# KiCad board ZSWatch-panelized.kicad_pcb (continued)
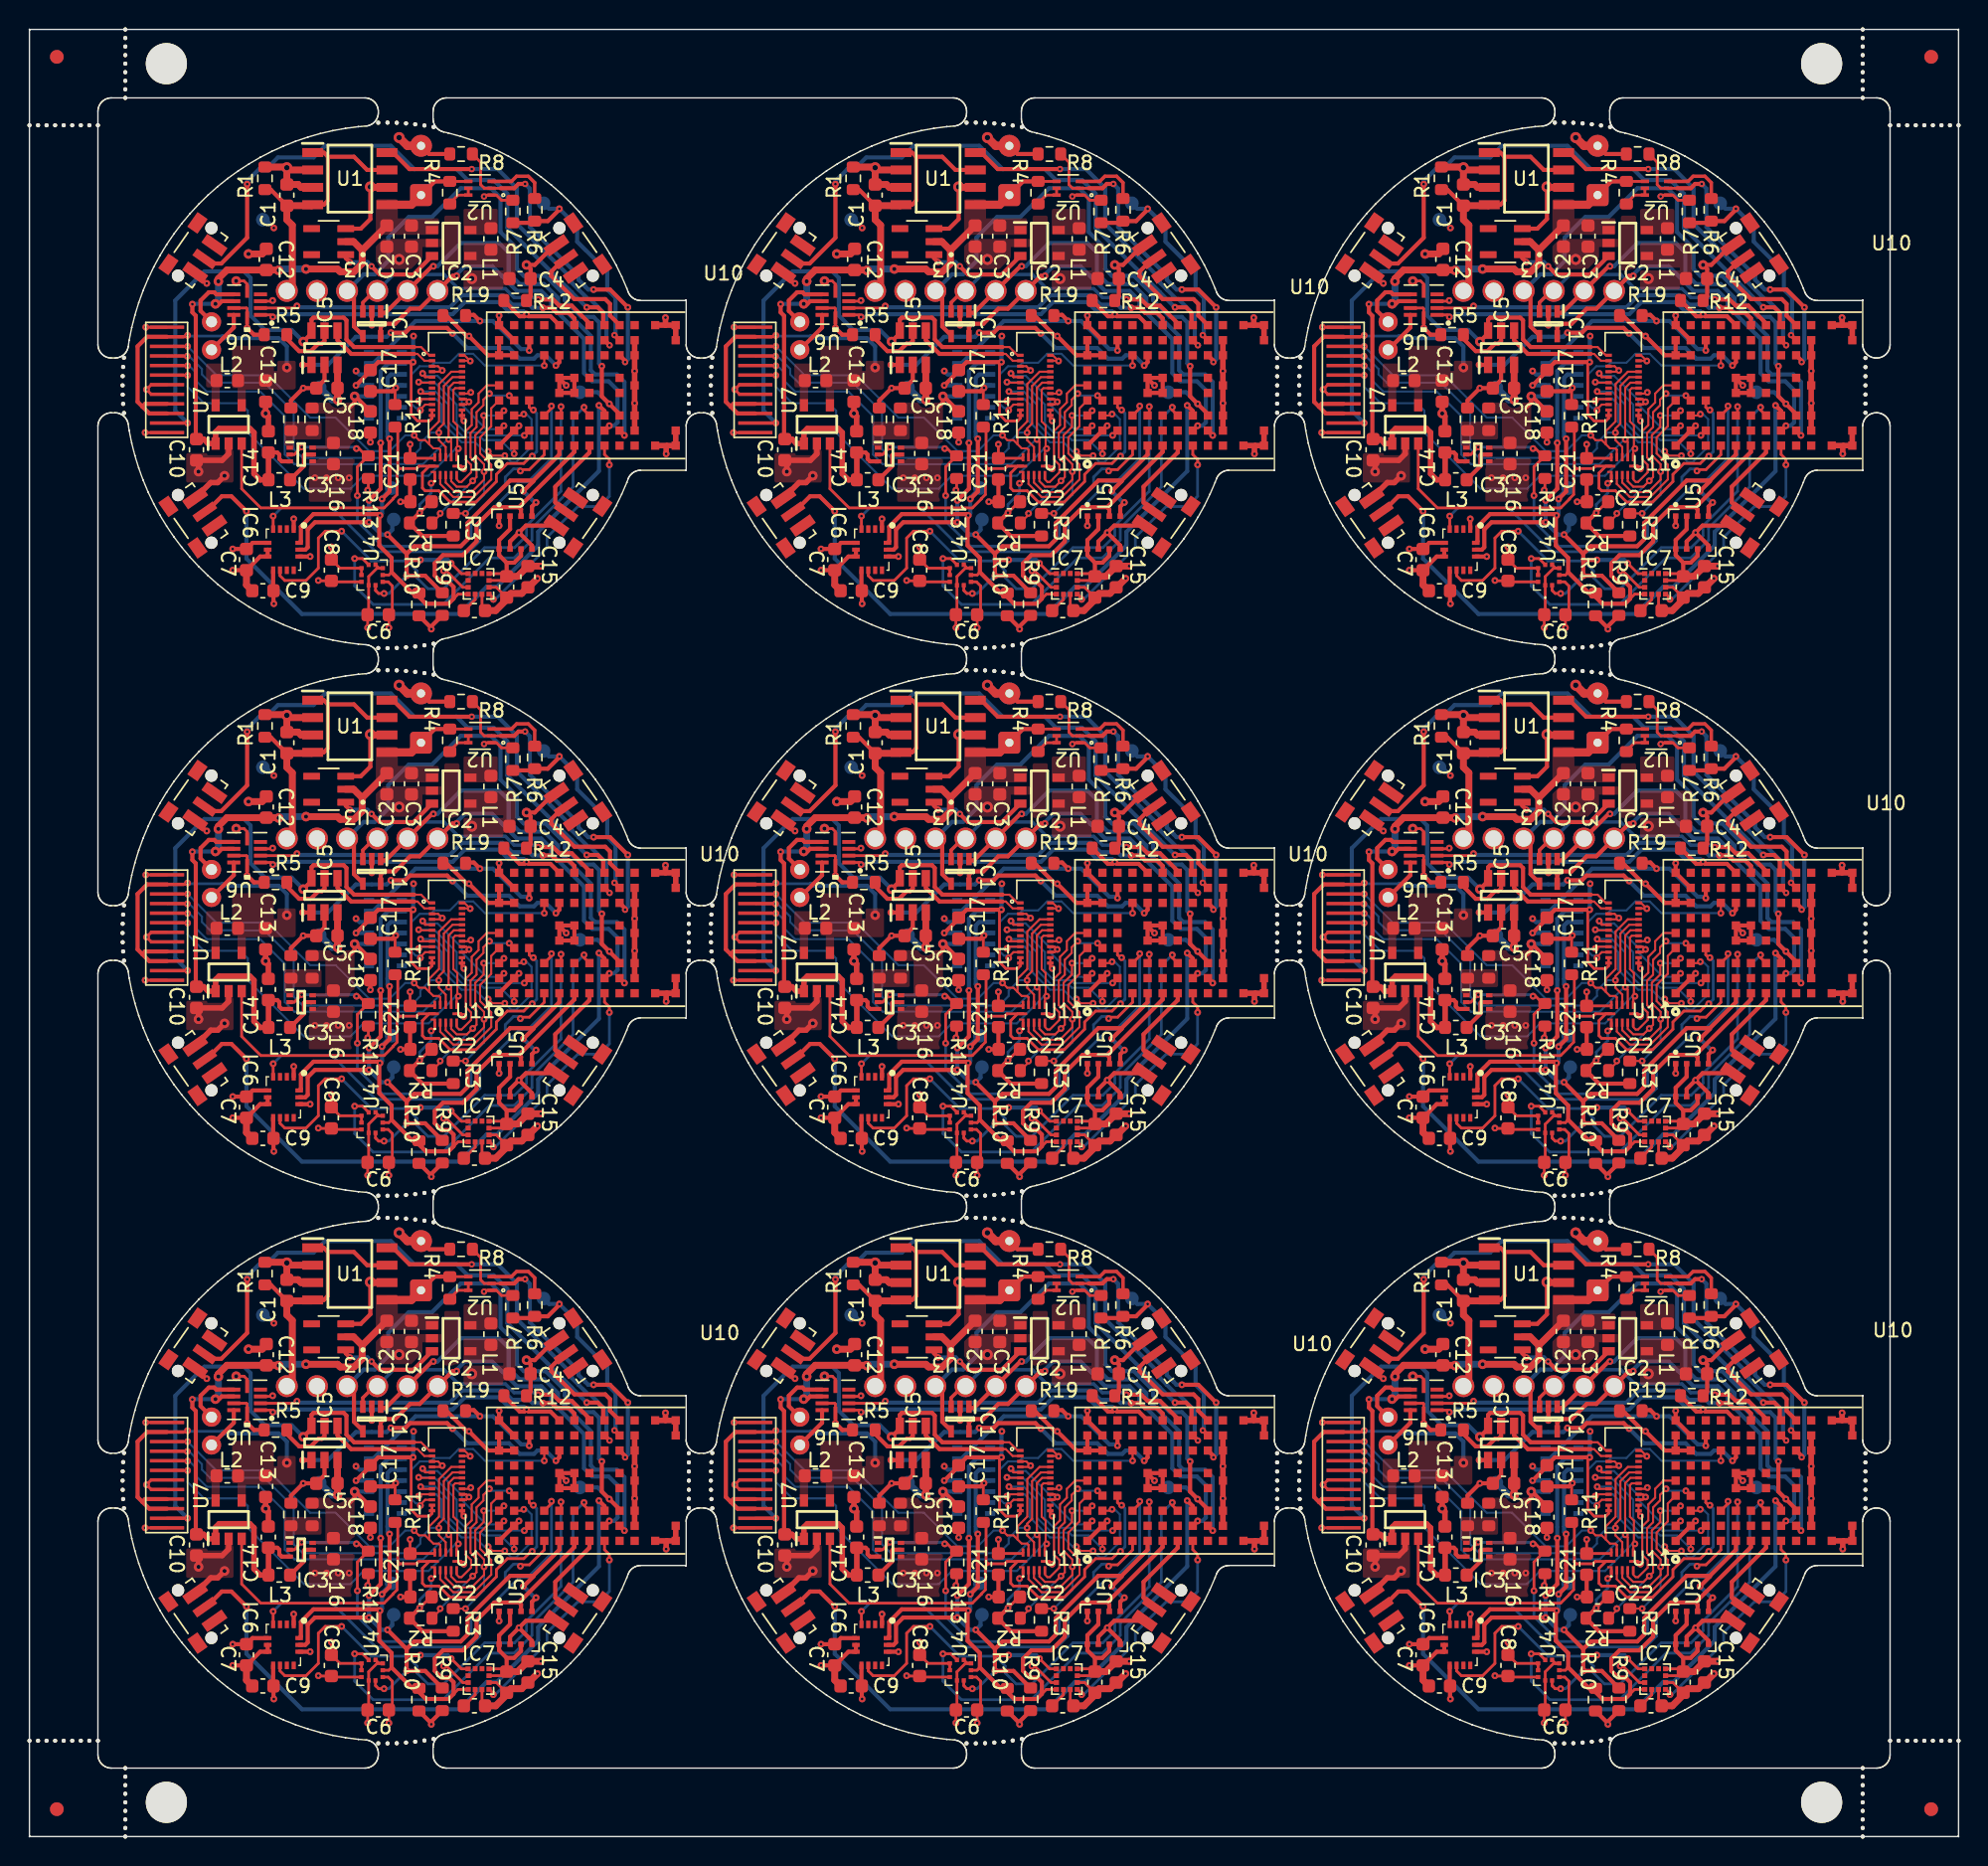
[diagram p0: board, top side]
## Routing (per net, layer and track width the routed paths; a pad name or vN(x,y) marks a point on that pad's centre or on a via; arc(x,y) is an arc through that point) (continued)
  Bottom w0.15: v1(114.63,26.87) 114.63,26.81 114.75,26.7 115.72,26.7 117.49,24.92 117.49,24.58 119.27,22.8 120.31,22.8 v1(120.57,23.05)
Board_8-DISPLAY_EN: length 40.3
  Top w0.2: 112.94,19.92 114.18,19.92 114.36,20.1 U11#4.12 115.12,20.1 114.62,19.6 114.62,18.5 114.82,18.3 115.82,18.3 116.64,17.47 118.52,17.47 120.02,18.97 120.02,19.5 120.82,20.3 122.02,20.3 122.55,20.83 v1(122.63,20.83) ; 112.94,19.92 112.77,19.75 112.77,18.03 112.47,17.73 112.47,17.7 111.82,17.05 102.82,17.05 101.42,18.45 U7#5.3 ; 112.94,19.92 112.82,20.05 112.82,22.75 R11#7.1 ; U10.C4 122.41,24.4 122.62,24.2 v1(122.72,24.2)
  Bottom w0.2: v1(122.63,20.83) 122.96,21.16 122.96,23.96 v1(122.72,24.2)
Board_8-DISPLAY_RST: length 15.5
  Top w0.15: U13#9.10 114.82,24.6 114.56,24.34 114.56,24.27 v1(114.47,24.18) ; v1(123.52,27.45) 123.52,28.2 U10.D7
  Bottom w0.15: v1(114.47,24.18) 114.31,24.34 114.13,24.34 113.82,24.65 113.82,26.8 114.42,27.4 115.22,27.4 115.47,27.65 116.62,27.65 117.27,28.3 118.32,28.3 119.18,27.45 v1(123.52,27.45)
Board_8-DRV_VIB_EN: length 25.2
  Top w0.2: U6#2.1 103.54,31.15 v1(103.69,31)
  Top w0.3: R12#6.1 121.72,31.05 122.07,31.05 v1(122.22,31.2) 122.37,31.05 123.96,31.05 U10.E9
  Bottom w0.3: v1(103.69,31) 104.02,31 104.22,31.2 116.82,31.2 117.71,32.09 120.22,32.09 120.9,31.4 122.02,31.4 v1(122.22,31.2)
Board_8-DRV_VIB_PWM: length 24.6
  Top w0.2: U6#2.2 105.31,31.65 v1(105.46,31.8)
  Top w0.3: v1(123.42,31.66) 124.06,31.66 124.42,31.3 125.32,31.3 125.71,30.9 U10.F9
  Bottom w0.3: v1(105.46,31.8) 105.56,31.7 116.62,31.7 117.5,32.59 120.48,32.59 121.17,31.9 122.42,31.9 122.65,31.66 v1(123.42,31.66)
Board_8-GND: length 117.3
  Top w0.15: U13#9.15 117.82,24.6 v1(118.02,24.8) 117.82,25 U13#9.16 ; U13#9.3 115.76,27.4 v1(116.07,27.09) 115.97,27 U13#9.4
  Top w0.2: U6#2.5 101.82,33.4 101.59,33.63 v3(101.02,33.63) ; C19#7.1 120.02,11.25 119.52,11.25 ; v1(107.97,14.2) C8#8.1 108.59,12.65 U4#2.8 U4#2.9 ; R7.2 120.39,39.52 120.02,39.9 U2#5.1 119.22,39.9 v4(119.12,39.8) ; v1(112.67,25.82) 112.62,25.77 R11#7.2 ; v1(101.82,30.2) U6#2.10 101.82,31.6 101.77,31.65 U6#2.8 ; v1(110.62,18.35) 110.67,18.4 R13#5.2 ; U6#2.3 103.63,32.15 v1(103.68,32.2) ; U11#4.6 117.44,20.1 v1(117.64,19.9) ; v1(112.17,8.3) C6.2 112.42,9.5 112.42,11.35 112.12,11.65 U4#2.3 ; U12#5.1 v1(94.37,22.55) ; C11#7.2 118.97,9.77 118.97,10.75 ; U12#5.12 v1(94.42,30.25) ; U12#5.5 94.82,25.35 v1(94.47,25.7) 94.82,26.05 U12#5.6
  Top w0.3: U10.E5 124.61,26.5 v1(125.12,26) ; U10.E5 U10.E4 U10.F4 U10.F5 U10.E5 ; C18.2 v1(110.82,21.85) ; IC5#6.2 107.47,26.4 C5.1 v1(105.92,25.8) 105.02,24.9 R18.1 ; v1(120.22,31.1) 120.21,31.1 U10.A9 U10.B8 ; S3#5.3 98.8,33.45 v1(98.87,33.45) ; BT1#9.2 115.12,42.9 R8#4.1 ; v1(113.02,17.5) C22#3.1 113.72,17.52 C21#7.1 ; 110.92,31.3 v1(110.92,30.4) ; U3#7.3 110.12,37.45 110.82,38.15 v2(110.82,40.5) ; C17.1 112.42,25.57 v1(112.67,25.82) ; v1(100.77,12.5) C7#2.2 102.77,13.5 IC6#6.7 IC6#6.6 ; v1(101.82,30.2) 102.32,29.7 R5.1 ; R12#6.2 122.52,32.5 C4#7.2 122.52,34.5 v3(122.22,34.8) 122.82,34.8 124.26,36.24 S2#3.3 ; v1(121.67,23.05) U10.B2 U10.A1 ; U5#9.7 121.02,14.6 v1(121.67,15.25) ; U5#9.1 v1(120.22,15.75) ; v1(121.67,15.25) 122.62,14.3 U5#9.5 ; v1(121.67,15.25) 122.18,15.76 S4.1 ; IC6#6.1 v1(105.22,16.25)
  Top w0.4: S1#9.1 99.15,18.9 99.67,18.9 v3(100.17,19.4) ; 132.37,30.4 U10.M9 U10.M8 ; 132.37,30.4 U10.L9 ; 132.37,30.4 v1(132.37,30.95) ; U10.M2 U10.M1 132.47,21.6 ; v1(132.42,21) 132.42,21.55 132.47,21.6 ; 132.47,21.6 U10.L1 ; U7#5.2 100.47,21 99.99,20.52 98.27,20.52 v3(98.27,19.7) ; C14#8.2 103.37,23.75 v3(103.17,23.95) C13#8.2 ; U10.K8 U10.K7 v1(130.11,27.05) U10.K5 130.11,24.7 v1(130.12,24.7) 130.11,24.7 U10.K3 U10.K2
  Top w0.5: C9#4.1 101.77,11.42 C7#2.2 ; v3(101.92,35.6) 102.92,35.6 103.22,35.9 C12#4.1 ; v2(110.82,40.5) 110.85,40.46 U1#8.6 ; v1(123.02,11.9) 122.37,11.25 C15#4.2 121.87,10.8 121.07,10.8 C19#7.1 120.77,10.35 119.97,9.55 C11#7.2 ; v2(104.72,41.9) 104.67,41.95 R1#7.2 ; v2(104.72,41.9) 104.88,41.73 U1#8.2 ; v2(104.72,41.9) C1#7.2 105.54,40.67 105.75,40.46 U1#8.3
  Top w0.6: BT1#9.2 113.52,43.5 v2(112.92,44.1)
  Bottom w0.3: v1(109.77,27.05) 110.02,26.8 IC4#5.12 ; IC4#5.4 112.85,26 v1(112.67,25.82)
  vias: v1(106.77,19.25) v1(107.62,19.25) v1(108.47,19.25) v1(109.27,19.25) v2(112.92,35.2)
Board_8-INT1_LIS: length 31.2
  Top w0.2: U10.D3 124.04,24.32 v1(124.04,24.49) ; IC6#6.4 v1(103.72,16.45)
  Bottom w0.2: v1(124.04,24.49) 124.04,20.67 122.32,18.95 121.72,18.95 118.82,16.05 118.82,14.65 118.02,13.85 111.22,13.85 108.02,17.05 104.32,17.05 v1(103.72,16.45)
Board_8-INT2_LIS: length 36.1
  Top w0.2: U10.E3 124.74,23.92 v1(124.74,24.45) ; IC6#6.9 104.22,12.1 104.57,11.75 106.12,11.75 107.02,12.65 107.02,14.85 107.52,15.35 v1(108.72,15.35)
  Bottom w0.2: v1(108.72,15.35) 110.89,13.17 113.49,13.17 114.22,12.45 114.22,11.95 115.02,11.15 116.17,11.15 119.17,14.15 121.34,14.15 122.22,15.02 122.22,15.75 124.74,18.27 v1(124.74,24.45)
Board_8-LEDK1: length 37.5
  Top w0.15: 114.02,28.8 114.52,28.8 115.12,28.2 U13#9.1
  Top w0.2: U12#5.2 v1(97.47,23.25)
  Top w0.3: 114.02,28.8 109.62,28.8 109.07,29.35 109.07,30.75 108.87,30.95 106.67,30.95 106.52,30.8 IC5#6.6 106.52,29.8 v3(105.92,29.2)
  Bottom w0.3: v1(97.47,23.25) 96.57,24.15 96.57,32.2 98.69,34.33 101.59,34.33 102.07,33.85 102.07,31.1 103.12,30.05 105.07,30.05 v3(105.92,29.2)
Board_8-LEDK2: length 8.2
  Top w0.15: 114.02,28.3 114.26,28.3 114.76,27.8 U13#9.2
  Top w0.3: IC5#6.4 108.42,29.3 109.42,28.3 114.02,28.3
Board_8-LIS2MDL_INT: length 16.4
  Top w0.2: v1(128.27,20.2) 128.27,20.6 127.91,20.95 U10.H1 ; v1(119.8,10.37) 119.8,10.47 119.52,10.75
  Bottom w0.2: v1(128.27,20.2) 128.27,17.9 127.52,17.15 125.97,17.15 123.72,14.9 123.72,14.15 119.94,10.37 v1(119.8,10.37)
Board_8-MAX30_INT: length 15.9
  Top w0.3: v1(118.82,30.7) 118.37,31.15 117.77,31.15 ; U10.C8 122.42,29.3 v1(122.42,28.55)
  Bottom w0.3: v1(122.42,28.55) 122.32,28.65 121.82,28.65 119.77,30.7 v1(118.82,30.7) 114.12,30.7 111.02,27.6 IC4#5.13
Board_8-RESET_N: length 42.1
  Top w0.3: v1(127.72,27.4) 127.72,25.2 v1(128.27,24.65) 129.01,23.9 U10.J3 ; 109.62,32.4 109.62,30.3 110.27,29.65
  Bottom w0.3: TP12#7.1 127.42,25.5 v1(128.27,24.65) ; v1(127.72,27.4) 127.52,27.6 127.52,30.6 127.12,31 126.23,31 125.02,32.21 125.02,32.59 123.61,34 122.02,34 121.52,34.5 121.52,36 120.32,37.2 120.32,39.7 119.62,40.4 117.42,40.4 115.32,38.3 113.62,38.3 112.12,36.8 112.12,35.09 111.14,34.11 110.33,34.11 J2#2.4
Board_8-SCL_ANNA: length 56.6
  Top w0.2: 117.92,12.25 117.47,12.25 v1(116.72,13) ; U4#2.2 111.19,11.02 111.42,10.8 v1(111.82,10.8)
  Top w0.3: v1(122.92,17.45) 122.62,17.15 U5#9.4 ; v1(114.47,13.25) 114.47,13.25 113.47,13.25 ; v1(121.99,18.27) 122.72,19 122.72,19.05 ; 113.47,13.7 114.02,14.25 117.41,14.25 117.92,14.76 117.92,15.95 121.02,19.05 122.72,19.05 ; 113.47,13.7 v1(112.07,15.1) ; 113.47,13.7 113.47,13.25 ; R9#4.1 114.82,12.1 v1(113.47,12.1) 113.47,13.25 ; v1(111.57,21.8) 111.57,18.45 v1(110.72,17.6) ; 122.72,19.05 124.61,20.95 U10.E1 ; IC6#6.13 106.07,14 106.24,14.17 106.24,15.47 106.77,16 v1(110.72,16)
  Bottom w0.2: v1(111.82,10.8) 112.17,10.8 v1(113.47,12.1)
  Bottom w0.3: v1(122.92,17.45) 122.82,17.45 v1(121.99,18.27) ; v1(110.72,17.6) v1(110.72,16) 111.62,15.1 v1(112.07,15.1) 112.42,15.45 112.42,16.2 ; IC4#5.2 112.12,27.6 111.57,27.05 v1(111.57,21.8) ; v1(114.47,13.25) 116.47,13.25 v1(116.72,13)
Board_8-SDA_ANNA: length 51.2
  Top w0.2: 116.89,10.42 117.22,10.75 117.92,10.75 ; 112.37,12.35 112.17,12.15 U4#2.4
  Top w0.3: v1(112.22,22.1) 112.22,18.25 v1(111.67,17.7) ; 121.67,17.1 121.82,16.95 U5#9.3 ; 121.67,17.1 119.87,17.1 118.57,15.8 118.57,14.6 117.57,13.6 116.12,13.6 115.52,13 115.52,12.11 116.02,11.6 116.57,11.6 116.89,11.28 116.89,10.42 116.52,10.05 114.87,10.05 114.37,10.55 R10#6.1 113.89,10.82 112.37,12.35 112.37,13.4 111.47,14.3 111.47,16.45 v1(111.52,16.5) 111.42,16.6 106.66,16.6 105.74,15.68 105.74,14.62 IC6#6.14 ; 121.67,17.1 125.71,21.15 U10.F1
  Bottom w0.3: v1(111.52,16.5) 111.67,16.65 v1(111.67,17.7) 111.67,17.8 TP10#2.1 ; IC4#5.3 112.32,26.8 112.07,26.55 112.07,22.25 v1(112.22,22.1)
Board_8-SWDCLK: length 31.1
  Top w0.3: v1(115.42,34.7) 115.32,34.7 J2#2.2 111.92,31.3 111.57,31.3 ; v1(129.37,22.35) U10.J2
  Bottom w0.3: v1(115.42,34.7) 115.72,34.7 117.42,36.4 120.22,36.4 120.92,35.7 120.92,34.2 121.72,33.4 123.5,33.4 124.52,32.39 124.52,32.01 126.92,29.61 126.92,27.1 127.22,26.8 128.82,26.8 129.37,26.25 v1(129.37,22.35)
Board_8-SWDIO: length 28.9
  Top w0.3: 111.57,29.5 111.57,30.25 111.82,30.5 112.62,30.5 113.72,31.6 114.42,31.6 J2#2.1 116.82,34 v1(117.12,34) ; v1(128.27,23.05) U10.H2
  Bottom w0.3: v1(128.27,23.05) 128.62,23.05 128.87,23.3 128.87,25.65 128.22,26.3 127.01,26.3 126.42,26.89 126.42,29.4 124.02,31.8 124.02,32.18 123.3,32.9 121.51,32.9 120.42,33.99 120.42,34 119.72,34.7 117.72,34.7 117.12,34.1 v1(117.12,34)
Board_8-TOUCH_INT: length 12
  Top w0.15: U10.A4 119.64,24.32 119.64,23.02 118.83,22.2 118.83,21.02 119.64,20.21 119.64,19.13 118.36,17.85 116.87,17.85 115.92,18.8 U11#4.2
Board_8-TOUCH_RST: length 9.5
  Top w0.15: 117.12,19.13 117.3,18.95 117.47,18.95 118.17,19.64 118.17,20.2 117.78,20.59 117.78,22.66 118.22,23.1 118.22,24.26 118.72,24.76 118.72,25.4 119.32,26 U10.A5
Board_8-TOUCH_SCL: length 15.9
  Top w0.15: U11#4.3 116.32,18.9 117.02,18.2 118.21,18.2 119.12,19.11 v1(119.12,19.7) 119.12,20.24 118.48,20.88 118.48,22.36 119.09,22.97 v1(119.09,23.8) ; v1(120.57,24.15) U10.A3 ; v1(117.77,16.65) R3#6.1
  Bottom w0.15: v1(119.09,23.8) U10.A3 v1(120.57,24.15) ; v1(117.77,16.65) 119.12,18 v1(119.12,19.7)
Board_8-TOUCH_SDA: length 15.9
  Top w0.15: v1(119.51,25.4) 119.07,24.96 119.07,24.55 118.57,24.04 118.57,22.95 118.13,22.51 118.13,20.73 118.57,20.29 118.57,19.3 118.29,19.03 v1(118.29,19.03) 117.87,18.6 117.87,18.6 117.12,18.6 116.72,19 U11#4.4 ; v1(115.92,16.65) 115.92,16.55 R2#4.1 ; v1(120.96,25.25) U10.B4
  Bottom w0.15: v1(118.29,19.03) 115.92,16.65 v1(115.92,16.65) ; v1(120.96,25.25) 119.66,25.25 v1(119.51,25.4)
Board_8-UART_TX: length 19.7
  Top w0.25: J2#2.3 111.12,32.9 110.27,32.05 IC1.3
  Top w0.3: U10.G9 126.81,30.53 125.52,31.82 124.6,31.82 124.15,32.27 v1(123.07,32.27)
  Bottom w0.25: J2#2.3 112.52,34.1 116.2,34.1 117.24,33.06 120.68,33.06 121.32,32.42 122.93,32.42 v1(123.07,32.27)
Board_8-V_BAT: length 51.5
  Top w0.2: U2#5.4 R4#4.1
  Top w0.3: BT1#9.1 115.52,40.9 R4#4.1 ; C14#8.1 104.02,21.1 104.17,20.95 104.17,20.62 104.34,20.45 IC3#8.3 ; 98.32,22.12 98.27,22.07 98.07,22.27 98.07,31.08 97.82,31.33 v1(97.82,31.93) ; v3(99.5,31.95) 99.77,31.95 99.97,32.15 U6#2.7
  Top w0.4: C14#8.1 103.38,21.09 L3#3.1 102.77,19.1 102.32,19.55 102.32,22.55 102.02,22.85 99.77,22.85 99.52,22.6 U7#5.1 98.97,21.75 98.64,22.07 98.27,22.07
  Top w0.5: 110.22,35.87 109.59,36.5 U3#7.2 ; 110.22,35.87 110.22,34.9 109.62,34.3 108.62,34.3 108.42,34.5 v3(106.12,34.5) ; 110.22,35.87 C2#6.2 ; v3(99.72,33.6) 99.72,33.8 100.34,34.42 C12#4.2 104.09,34.42 v3(104.12,34.4)
  Top w0.6: U1#8.5 113.81,39.19 BT1#9.1
  Bottom w0.3: v3(99.5,31.95) 97.84,31.95 v1(97.82,31.93)
  Bottom w0.5: v3(106.12,34.5) 104.22,34.5 v3(104.12,34.4) ; v3(99.5,31.95) 99.72,32.17 v3(99.72,33.6)
Board_8-VBUS: length 20.9
  Top w0.3: 107.72,42.7 107.41,43 U1#8.1 ; 107.72,42.7 109.62,42.7 110.58,41.73 U1#8.7 ; 107.72,42.7 107.72,39.5 107.41,39.19 U1#8.4 ; C1#7.1 103.54,40.3 R1#7.1
  Top w0.5: J2#2.6 105.12,33.3 105.12,37.7 104.72,38.1 C1#7.1 106.53,39.12 U1#8.4

## Copper pours and planes (outline as drawn; the poured copper is in the pictures)
Board_0-+1V8 on Top: 35.5,113.3 34.6,113.3 34.6,113 31.7,113 31.7,114.4 34.6,114.4 34.6,114.6 31.7,114.6 31.7,116.4 35.5,116.4
Board_0-+5V on Top: 23.75,101.3 20.45,101.3 20.45,101.6 21.61,101.6 21.61,103.95 20.15,103.95 20.15,104.75 23.75,104.75
Board_0-/LX_3V3 on Top: 14.1,105.85 13.9,105.85 13.9,104.9 13.3,104.9 13.3,105.85 12.9,105.85 12.9,107.6 14.1,107.6
Board_0-/LX_18 on Top: 34.2,117 31.7,117 31.7,118.9 34.2,118.9
Board_0-/TPS_FB on Top: 21.33,102.05 19.3,102.05 19.3,101.3 18.75,101.3 18.75,101.6 18.6,101.6 18.6,103.35 21.33,103.35
Board_0-DISPLAY_3V3 on Top: 17.85,107.05 18.1,107.05 18.1,107.8 19.45,107.8 19.45,105.7 15.8,105.7 15.8,104.9 15.2,104.9 15.2,105.8 14.8,105.8 14.8,108.9 17.85,108.9
Board_0-DISPLAY_3V3 on In2.Cu: 32.5,100.7 18.05,100.7 18.05,108.2 32.5,108.2
Board_0-GND on Top: 29.9,116.1 28.7,116.1 28.7,114.4 25.3,114.4 25.3,116.7 29.9,116.7
Board_0-GND on Top: 14.9,98.9 11.45,98.9 11.45,101.05 13,101.05 13,100.9 14.25,100.9 14.25,101.3 14.9,101.3
Board_0-GND on Top: 31.4,114.4 30.3,114.4 30.3,116.1 29.9,116.1 29.9,116.7 30.3,116.7 30.3,118.4 31.4,118.4
Board_0-GND on Top: 23.75,97.5 20.4,97.5 20.4,100.65 23.75,100.65
Board_0-V_BAT on Top: 26.9,118.2 29.9,118.2 29.9,117 25.3,117 25.3,119.6 26.9,119.6
Board_1-+1V8 on Top: 78.46,113.3 77.56,113.3 77.56,113 74.66,113 74.66,114.4 77.56,114.4 77.56,114.6 74.66,114.6 74.66,116.4 78.46,116.4
Board_1-+5V on Top: 66.71,101.3 63.41,101.3 63.41,101.6 64.57,101.6 64.57,103.95 63.11,103.95 63.11,104.75 66.71,104.75
Board_1-/LX_3V3 on Top: 57.06,105.85 56.86,105.85 56.86,104.9 56.26,104.9 56.26,105.85 55.86,105.85 55.86,107.6 57.06,107.6
Board_1-/LX_18 on Top: 77.16,117 74.66,117 74.66,118.9 77.16,118.9
Board_1-/TPS_FB on Top: 64.29,102.05 62.26,102.05 62.26,101.3 61.71,101.3 61.71,101.6 61.56,101.6 61.56,103.35 64.29,103.35
Board_1-DISPLAY_3V3 on Top: 60.81,107.05 61.06,107.05 61.06,107.8 62.41,107.8 62.41,105.7 58.76,105.7 58.76,104.9 58.16,104.9 58.16,105.8 57.76,105.8 57.76,108.9 60.81,108.9
Board_1-DISPLAY_3V3 on In2.Cu: 75.46,100.7 61.01,100.7 61.01,108.2 75.46,108.2
Board_1-GND on Top: 66.71,97.5 63.36,97.5 63.36,100.65 66.71,100.65
Board_1-GND on Top: 72.86,116.1 71.66,116.1 71.66,114.4 68.26,114.4 68.26,116.7 72.86,116.7
Board_1-GND on Top: 57.86,98.9 54.41,98.9 54.41,101.05 55.96,101.05 55.96,100.9 57.21,100.9 57.21,101.3 57.86,101.3
Board_1-GND on Top: 74.36,114.4 73.26,114.4 73.26,116.1 72.86,116.1 72.86,116.7 73.26,116.7 73.26,118.4 74.36,118.4
Board_1-V_BAT on Top: 69.86,118.2 72.86,118.2 72.86,117 68.26,117 68.26,119.6 69.86,119.6
Board_2-+1V8 on Top: 121.42,113.3 120.52,113.3 120.52,113 117.62,113 117.62,114.4 120.52,114.4 120.52,114.6 117.62,114.6 117.62,116.4 121.42,116.4
Board_2-+5V on Top: 109.67,101.3 106.37,101.3 106.37,101.6 107.53,101.6 107.53,103.95 106.07,103.95 106.07,104.75 109.67,104.75
Board_2-/LX_3V3 on Top: 100.02,105.85 99.82,105.85 99.82,104.9 99.22,104.9 99.22,105.85 98.82,105.85 98.82,107.6 100.02,107.6
Board_2-/LX_18 on Top: 120.12,117 117.62,117 117.62,118.9 120.12,118.9
Board_2-/TPS_FB on Top: 107.25,102.05 105.22,102.05 105.22,101.3 104.67,101.3 104.67,101.6 104.52,101.6 104.52,103.35 107.25,103.35
Board_2-DISPLAY_3V3 on Top: 103.77,107.05 104.02,107.05 104.02,107.8 105.37,107.8 105.37,105.7 101.72,105.7 101.72,104.9 101.12,104.9 101.12,105.8 100.72,105.8 100.72,108.9 103.77,108.9
Board_2-DISPLAY_3V3 on In2.Cu: 118.42,100.7 103.97,100.7 103.97,108.2 118.42,108.2
Board_2-GND on Top: 115.82,116.1 114.62,116.1 114.62,114.4 111.22,114.4 111.22,116.7 115.82,116.7
Board_2-GND on Top: 117.32,114.4 116.22,114.4 116.22,116.1 115.82,116.1 115.82,116.7 116.22,116.7 116.22,118.4 117.32,118.4
Board_2-GND on Top: 100.82,98.9 97.37,98.9 97.37,101.05 98.92,101.05 98.92,100.9 100.17,100.9 100.17,101.3 100.82,101.3
Board_2-GND on Top: 109.67,97.5 106.32,97.5 106.32,100.65 109.67,100.65
Board_2-V_BAT on Top: 112.82,118.2 115.82,118.2 115.82,117 111.22,117 111.22,119.6 112.82,119.6
Board_3-+1V8 on Top: 35.5,73.3 34.6,73.3 34.6,73 31.7,73 31.7,74.4 34.6,74.4 34.6,74.6 31.7,74.6 31.7,76.4 35.5,76.4
Board_3-+5V on Top: 23.75,61.3 20.45,61.3 20.45,61.6 21.61,61.6 21.61,63.95 20.15,63.95 20.15,64.75 23.75,64.75
Board_3-/LX_3V3 on Top: 14.1,65.85 13.9,65.85 13.9,64.9 13.3,64.9 13.3,65.85 12.9,65.85 12.9,67.6 14.1,67.6
Board_3-/LX_18 on Top: 34.2,77 31.7,77 31.7,78.9 34.2,78.9
Board_3-/TPS_FB on Top: 21.33,62.05 19.3,62.05 19.3,61.3 18.75,61.3 18.75,61.6 18.6,61.6 18.6,63.35 21.33,63.35
Board_3-DISPLAY_3V3 on Top: 17.85,67.05 18.1,67.05 18.1,67.8 19.45,67.8 19.45,65.7 15.8,65.7 15.8,64.9 15.2,64.9 15.2,65.8 14.8,65.8 14.8,68.9 17.85,68.9
Board_3-DISPLAY_3V3 on In2.Cu: 32.5,60.7 18.05,60.7 18.05,68.2 32.5,68.2
Board_3-GND on Top: 14.9,58.9 11.45,58.9 11.45,61.05 13,61.05 13,60.9 14.25,60.9 14.25,61.3 14.9,61.3
Board_3-GND on Top: 31.4,74.4 30.3,74.4 30.3,76.1 29.9,76.1 29.9,76.7 30.3,76.7 30.3,78.4 31.4,78.4
Board_3-GND on Top: 29.9,76.1 28.7,76.1 28.7,74.4 25.3,74.4 25.3,76.7 29.9,76.7
Board_3-GND on Top: 23.75,57.5 20.4,57.5 20.4,60.65 23.75,60.65
Board_3-V_BAT on Top: 26.9,78.2 29.9,78.2 29.9,77 25.3,77 25.3,79.6 26.9,79.6
Board_4-+1V8 on Top: 78.46,73.3 77.56,73.3 77.56,73 74.66,73 74.66,74.4 77.56,74.4 77.56,74.6 74.66,74.6 74.66,76.4 78.46,76.4
Board_4-+5V on Top: 66.71,61.3 63.41,61.3 63.41,61.6 64.57,61.6 64.57,63.95 63.11,63.95 63.11,64.75 66.71,64.75
Board_4-/LX_3V3 on Top: 57.06,65.85 56.86,65.85 56.86,64.9 56.26,64.9 56.26,65.85 55.86,65.85 55.86,67.6 57.06,67.6
Board_4-/LX_18 on Top: 77.16,77 74.66,77 74.66,78.9 77.16,78.9
Board_4-/TPS_FB on Top: 64.29,62.05 62.26,62.05 62.26,61.3 61.71,61.3 61.71,61.6 61.56,61.6 61.56,63.35 64.29,63.35
Board_4-DISPLAY_3V3 on Top: 60.81,67.05 61.06,67.05 61.06,67.8 62.41,67.8 62.41,65.7 58.76,65.7 58.76,64.9 58.16,64.9 58.16,65.8 57.76,65.8 57.76,68.9 60.81,68.9
Board_4-DISPLAY_3V3 on In2.Cu: 75.46,60.7 61.01,60.7 61.01,68.2 75.46,68.2
Board_4-GND on Top: 66.71,57.5 63.36,57.5 63.36,60.65 66.71,60.65
Board_4-GND on Top: 57.86,58.9 54.41,58.9 54.41,61.05 55.96,61.05 55.96,60.9 57.21,60.9 57.21,61.3 57.86,61.3
Board_4-GND on Top: 74.36,74.4 73.26,74.4 73.26,76.1 72.86,76.1 72.86,76.7 73.26,76.7 73.26,78.4 74.36,78.4
Board_4-GND on Top: 72.86,76.1 71.66,76.1 71.66,74.4 68.26,74.4 68.26,76.7 72.86,76.7
Board_4-V_BAT on Top: 69.86,78.2 72.86,78.2 72.86,77 68.26,77 68.26,79.6 69.86,79.6
Board_5-+1V8 on Top: 121.42,73.3 120.52,73.3 120.52,73 117.62,73 117.62,74.4 120.52,74.4 120.52,74.6 117.62,74.6 117.62,76.4 121.42,76.4
Board_5-+5V on Top: 109.67,61.3 106.37,61.3 106.37,61.6 107.53,61.6 107.53,63.95 106.07,63.95 106.07,64.75 109.67,64.75
Board_5-/LX_3V3 on Top: 100.02,65.85 99.82,65.85 99.82,64.9 99.22,64.9 99.22,65.85 98.82,65.85 98.82,67.6 100.02,67.6
Board_5-/LX_18 on Top: 120.12,77 117.62,77 117.62,78.9 120.12,78.9
Board_5-/TPS_FB on Top: 107.25,62.05 105.22,62.05 105.22,61.3 104.67,61.3 104.67,61.6 104.52,61.6 104.52,63.35 107.25,63.35
Board_5-DISPLAY_3V3 on Top: 103.77,67.05 104.02,67.05 104.02,67.8 105.37,67.8 105.37,65.7 101.72,65.7 101.72,64.9 101.12,64.9 101.12,65.8 100.72,65.8 100.72,68.9 103.77,68.9
Board_5-DISPLAY_3V3 on In2.Cu: 118.42,60.7 103.97,60.7 103.97,68.2 118.42,68.2
Board_5-GND on Top: 115.82,76.1 114.62,76.1 114.62,74.4 111.22,74.4 111.22,76.7 115.82,76.7
Board_5-GND on Top: 117.32,74.4 116.22,74.4 116.22,76.1 115.82,76.1 115.82,76.7 116.22,76.7 116.22,78.4 117.32,78.4
Board_5-GND on Top: 109.67,57.5 106.32,57.5 106.32,60.65 109.67,60.65
Board_5-GND on Top: 100.82,58.9 97.37,58.9 97.37,61.05 98.92,61.05 98.92,60.9 100.17,60.9 100.17,61.3 100.82,61.3
Board_5-V_BAT on Top: 112.82,78.2 115.82,78.2 115.82,77 111.22,77 111.22,79.6 112.82,79.6
Board_6-+1V8 on Top: 35.5,33.3 34.6,33.3 34.6,33 31.7,33 31.7,34.4 34.6,34.4 34.6,34.6 31.7,34.6 31.7,36.4 35.5,36.4
Board_6-+5V on Top: 23.75,21.3 20.45,21.3 20.45,21.6 21.61,21.6 21.61,23.95 20.15,23.95 20.15,24.75 23.75,24.75
Board_6-/LX_3V3 on Top: 14.1,25.85 13.9,25.85 13.9,24.9 13.3,24.9 13.3,25.85 12.9,25.85 12.9,27.6 14.1,27.6
Board_6-/LX_18 on Top: 34.2,37 31.7,37 31.7,38.9 34.2,38.9
Board_6-/TPS_FB on Top: 21.33,22.05 19.3,22.05 19.3,21.3 18.75,21.3 18.75,21.6 18.6,21.6 18.6,23.35 21.33,23.35
Board_6-DISPLAY_3V3 on Top: 17.85,27.05 18.1,27.05 18.1,27.8 19.45,27.8 19.45,25.7 15.8,25.7 15.8,24.9 15.2,24.9 15.2,25.8 14.8,25.8 14.8,28.9 17.85,28.9
Board_6-DISPLAY_3V3 on In2.Cu: 32.5,20.7 18.05,20.7 18.05,28.2 32.5,28.2
Board_6-GND on Top: 14.9,18.9 11.45,18.9 11.45,21.05 13,21.05 13,20.9 14.25,20.9 14.25,21.3 14.9,21.3
Board_6-GND on Top: 23.75,17.5 20.4,17.5 20.4,20.65 23.75,20.65
Board_6-GND on Top: 29.9,36.1 28.7,36.1 28.7,34.4 25.3,34.4 25.3,36.7 29.9,36.7
Board_6-GND on Top: 31.4,34.4 30.3,34.4 30.3,36.1 29.9,36.1 29.9,36.7 30.3,36.7 30.3,38.4 31.4,38.4
Board_6-V_BAT on Top: 26.9,38.2 29.9,38.2 29.9,37 25.3,37 25.3,39.6 26.9,39.6
Board_7-+1V8 on Top: 78.46,33.3 77.56,33.3 77.56,33 74.66,33 74.66,34.4 77.56,34.4 77.56,34.6 74.66,34.6 74.66,36.4 78.46,36.4
Board_7-+5V on Top: 66.71,21.3 63.41,21.3 63.41,21.6 64.57,21.6 64.57,23.95 63.11,23.95 63.11,24.75 66.71,24.75
Board_7-/LX_3V3 on Top: 57.06,25.85 56.86,25.85 56.86,24.9 56.26,24.9 56.26,25.85 55.86,25.85 55.86,27.6 57.06,27.6
Board_7-/LX_18 on Top: 77.16,37 74.66,37 74.66,38.9 77.16,38.9
Board_7-/TPS_FB on Top: 64.29,22.05 62.26,22.05 62.26,21.3 61.71,21.3 61.71,21.6 61.56,21.6 61.56,23.35 64.29,23.35
Board_7-DISPLAY_3V3 on Top: 60.81,27.05 61.06,27.05 61.06,27.8 62.41,27.8 62.41,25.7 58.76,25.7 58.76,24.9 58.16,24.9 58.16,25.8 57.76,25.8 57.76,28.9 60.81,28.9
Board_7-DISPLAY_3V3 on In2.Cu: 75.46,20.7 61.01,20.7 61.01,28.2 75.46,28.2
Board_7-GND on Top: 66.71,17.5 63.36,17.5 63.36,20.65 66.71,20.65
Board_7-GND on Top: 57.86,18.9 54.41,18.9 54.41,21.05 55.96,21.05 55.96,20.9 57.21,20.9 57.21,21.3 57.86,21.3
Board_7-GND on Top: 72.86,36.1 71.66,36.1 71.66,34.4 68.26,34.4 68.26,36.7 72.86,36.7
Board_7-GND on Top: 74.36,34.4 73.26,34.4 73.26,36.1 72.86,36.1 72.86,36.7 73.26,36.7 73.26,38.4 74.36,38.4
Board_7-V_BAT on Top: 69.86,38.2 72.86,38.2 72.86,37 68.26,37 68.26,39.6 69.86,39.6
Board_8-+1V8 on Top: 121.42,33.3 120.52,33.3 120.52,33 117.62,33 117.62,34.4 120.52,34.4 120.52,34.6 117.62,34.6 117.62,36.4 121.42,36.4
Board_8-+5V on Top: 109.67,21.3 106.37,21.3 106.37,21.6 107.53,21.6 107.53,23.95 106.07,23.95 106.07,24.75 109.67,24.75
Board_8-/LX_3V3 on Top: 100.02,25.85 99.82,25.85 99.82,24.9 99.22,24.9 99.22,25.85 98.82,25.85 98.82,27.6 100.02,27.6
Board_8-/LX_18 on Top: 120.12,37 117.62,37 117.62,38.9 120.12,38.9
Board_8-/TPS_FB on Top: 107.25,22.05 105.22,22.05 105.22,21.3 104.67,21.3 104.67,21.6 104.52,21.6 104.52,23.35 107.25,23.35
Board_8-DISPLAY_3V3 on Top: 103.77,27.05 104.02,27.05 104.02,27.8 105.37,27.8 105.37,25.7 101.72,25.7 101.72,24.9 101.12,24.9 101.12,25.8 100.72,25.8 100.72,28.9 103.77,28.9
Board_8-DISPLAY_3V3 on In2.Cu: 118.42,20.7 103.97,20.7 103.97,28.2 118.42,28.2
Board_8-GND on Top: 117.32,34.4 116.22,34.4 116.22,36.1 115.82,36.1 115.82,36.7 116.22,36.7 116.22,38.4 117.32,38.4
Board_8-GND on Top: 109.67,17.5 106.32,17.5 106.32,20.65 109.67,20.65
Board_8-GND on Top: 100.82,18.9 97.37,18.9 97.37,21.05 98.92,21.05 98.92,20.9 100.17,20.9 100.17,21.3 100.82,21.3
Board_8-GND on Top: 115.82,36.1 114.62,36.1 114.62,34.4 111.22,34.4 111.22,36.7 115.82,36.7
Board_8-V_BAT on Top: 112.82,38.2 115.82,38.2 115.82,37 111.22,37 111.22,39.6 112.82,39.6

## Text on the board
B.Silkscreen: Designed / with | M- | M+ | GND | V_BAT | github.com/jakkra/ZSWatch | v2 Rev 1
